# KiCad board kimotor-project.kicad_pcb
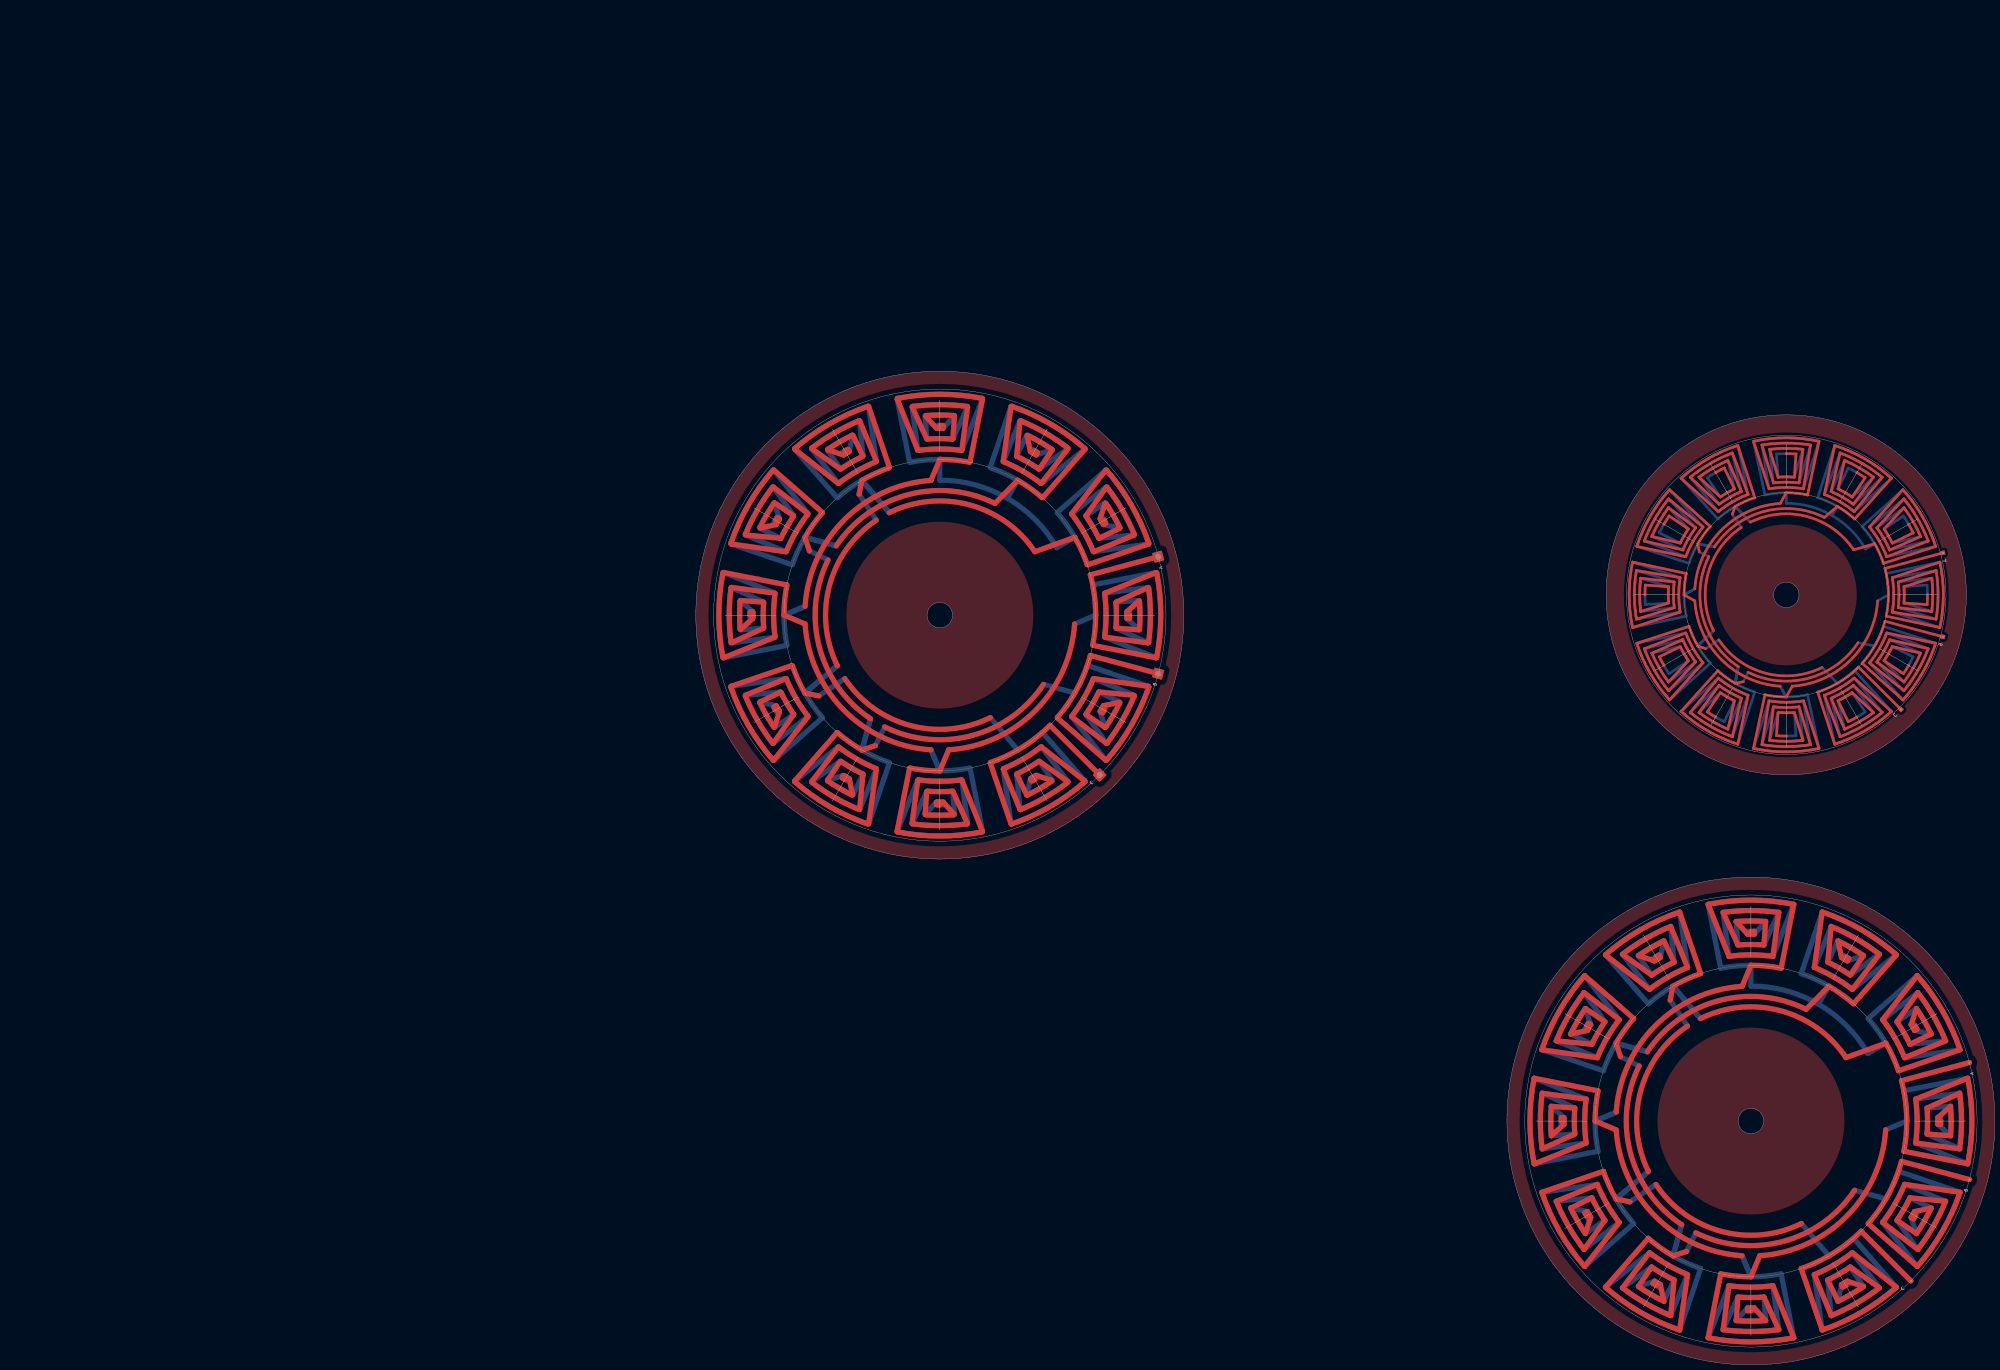
[diagram p0: board, top side]
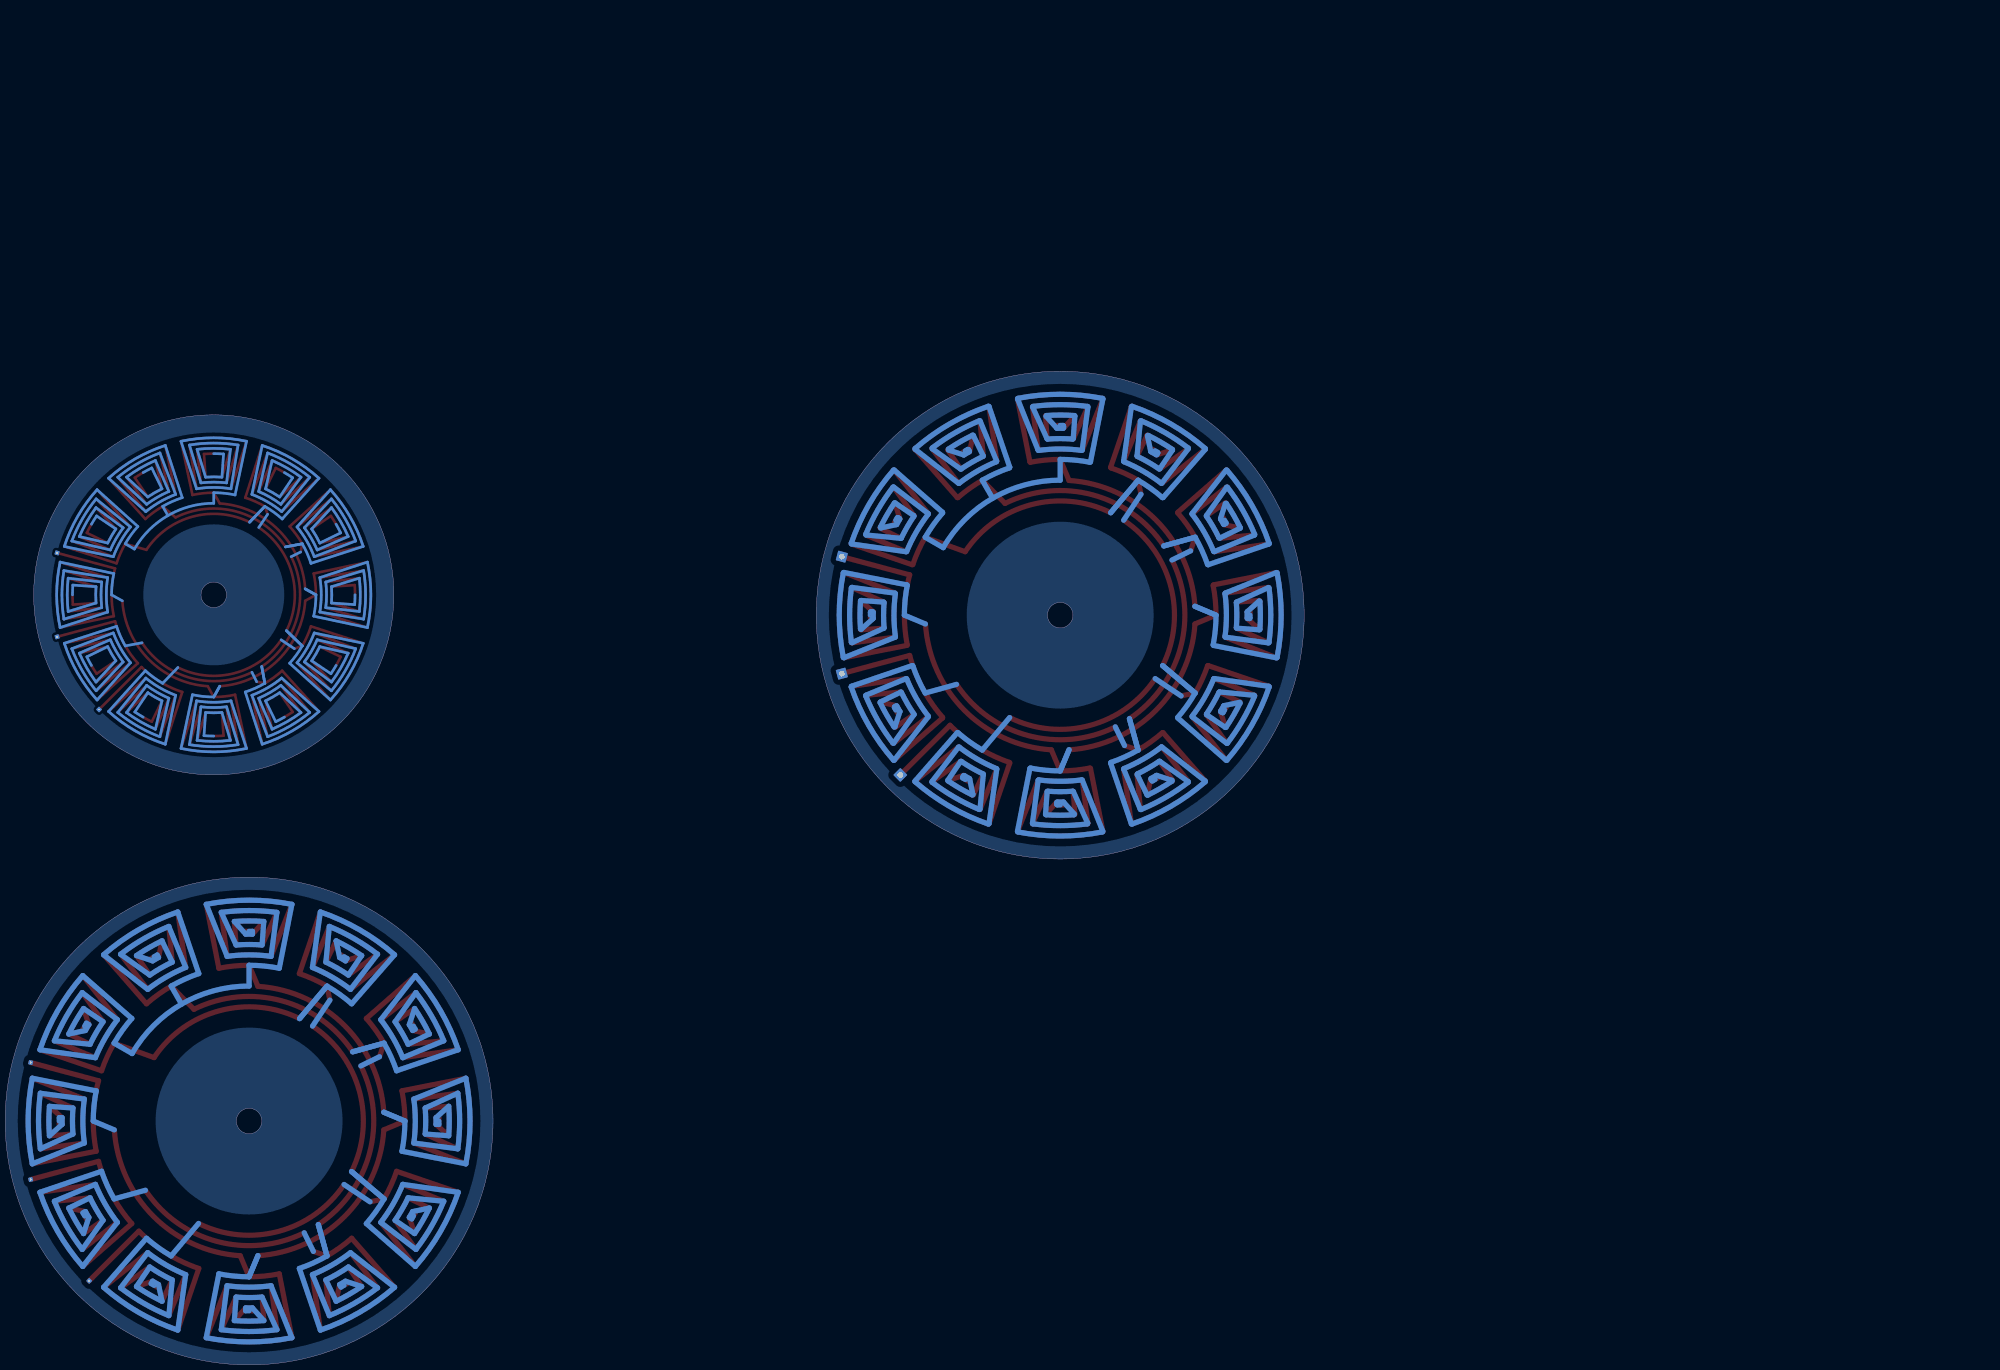
[diagram p1: board, bottom side, seen from below]

Outline 508.51 x 389.12 mm; copper layers: Top, In1.Cu, In2.Cu, In3.Cu, In4.Cu, Bottom. Coordinates in mm from the lower left corner of the outline.
Outline path: circle c95.5,293.62 r5 ; circle c95.5,293.62 r95.5 ; circle c413.01,95.5 r5 ; circle c413.01,95.5 r95.5 ; circle c426.84,301.57 r5 ; circle c426.84,301.57 r70.5
Stack: Top 0.035mm / dielectric 0.0994mm FR4 er 4.5 / In1.Cu 0.0175mm / dielectric 0.7mm FR4 er 4.5 / In2.Cu 0.0175mm / dielectric 0.2mm FR4 er 4.5 / In3.Cu 0.0175mm / dielectric 0.7mm FR4 er 4.5 / In4.Cu 0.0175mm / dielectric 0.0994mm FR4 er 4.5 / Bottom 0.035mm

## Placement (name value [footprint] x y rotation side)
T1  -  [SolderWire-0.15sqmm_1x01_D0.5mm_OD1.5mm]  498.5 118.41 15 top
T1#2  -  [SolderWire-0.15sqmm_1x01_D0.5mm_OD1.5mm]  488.17 318 15 top
T1#3  -  [SolderWire-1.5sqmm_1x01_D1.7mm_OD3.9mm]  180.98 316.52 15 top
T2  -  [SolderWire-0.15sqmm_1x01_D0.5mm_OD1.5mm]  498.5 72.59 345 top
T2#2  -  [SolderWire-0.15sqmm_1x01_D0.5mm_OD1.5mm]  488.17 285.13 345 top
T2#3  -  [SolderWire-1.5sqmm_1x01_D1.7mm_OD3.9mm]  180.98 270.71 345 top
T3  -  [SolderWire-0.15sqmm_1x01_D0.5mm_OD1.5mm]  471.74 256.67 315 top
T3#2  -  [SolderWire-0.15sqmm_1x01_D0.5mm_OD1.5mm]  475.59 32.92 315 top
T3#3  -  [SolderWire-1.5sqmm_1x01_D1.7mm_OD3.9mm]  158.08 231.04 315 top

## Footprints (pads in the part's own frame, mm; a bottom-side part is the same pattern mirrored in y, then rotated)
SolderWire-0.15sqmm_1x01_D0.5mm_OD1.5mm
  rrect 1.7x1.7 hole 0.7: 1(0,0)
SolderWire-1.5sqmm_1x01_D1.7mm_OD3.9mm
  rrect 3.9x3.9 hole 2.1: 1(0,0)

## Nets
coil: T1.1 T1#2.1 T1#3.1 T2.1 T2#2.1 T2#3.1 T3.1 T3#2.1 T3#3.1

## Via types
v1: diameter 0.25, hole 0.15, Top to In1.Cu, 36 vias
v2: diameter 0.25, hole 0.15, Top to Bottom, 51 vias
v3: diameter 0.25, hole 0.15, In1.Cu to In2.Cu, 36 vias
v4: diameter 0.25, hole 0.15, In2.Cu to In3.Cu, 36 vias
v5: diameter 0.25, hole 0.15, In3.Cu to In4.Cu, 36 vias
v6: diameter 0.25, hole 0.15, In4.Cu to In5.Cu, 36 vias
v7: diameter 0.25, hole 0.15, In5.Cu to In6.Cu, 36 vias
v8: diameter 0.25, hole 0.15, In6.Cu to In7.Cu, 36 vias
v9: diameter 0.25, hole 0.15, In7.Cu to In8.Cu, 36 vias
v10: diameter 0.25, hole 0.15, In8.Cu to In9.Cu, 36 vias
v11: diameter 0.25, hole 0.15, In9.Cu to In10.Cu, 36 vias
v12: diameter 0.25, hole 0.15, In10.Cu to In11.Cu, 36 vias
v13: diameter 0.25, hole 0.15, In11.Cu to In12.Cu, 36 vias
v14: diameter 0.25, hole 0.15, In12.Cu to In13.Cu, 36 vias
v15: diameter 0.25, hole 0.15, In13.Cu to In14.Cu, 36 vias
v16: diameter 0.25, hole 0.15, In14.Cu to In15.Cu, 36 vias
v17: diameter 0.25, hole 0.15, In15.Cu to In16.Cu, 36 vias
v18: diameter 0.25, hole 0.15, In16.Cu to Bottom, 36 vias

## Routing (per net, layer and track width the routed paths; a pad name or vN(x,y) marks a point on that pad's centre or on a via; arc(x,y) is an arc through that point)
coil: length 399427.3
  Top w1.034: T2#2.1 465.47,291.22 arc(463.79,286.26) v17(461.48,281.57) arc(458.57,277.22) 456.54,274.78 472.51,260.39 arc(480.1,270.82) 485.34,282.6 466.17,286.64 arc(463.27,280.53) 459.43,274.97 472.88,263.99 arc(478.31,271.85) 482.4,280.48 467.32,283.99 arc(465.06,279.5) 462.3,275.29 472.93,267.42 arc(476.51,272.89) 479.46,278.72 468.35,281.29 arc(466.85,278.47) 465.15,275.75 472.7,270.67 arc(470.7,267.91) v18(474.72,273.92) ; v2(395.3,280.49) v17(392.19,281.57) arc(389.88,286.26) 388.79,289.23 368.33,282.6 arc(373.57,270.82) 381.16,260.39 394.24,274.97 arc(390.4,280.53) 387.5,286.64 371.27,280.48 arc(375.37,271.85) 380.79,263.99 391.37,275.29 arc(388.61,279.5) 386.35,283.99 374.22,278.72 arc(377.16,272.89) 380.74,267.42 388.52,275.75 arc(386.82,278.47) 385.32,281.29 377.15,277.3 arc(375.75,280.41) v18(378.95,273.92) ; T3.1 455.12,273.28 arc(451.19,269.83) v17(446.84,266.93) arc(442.14,264.61) 439.17,263.52 445.8,243.07 arc(457.59,248.31) 468.02,255.89 453.43,268.98 arc(447.87,265.14) 441.76,262.24 447.92,246 arc(456.55,250.1) 464.41,255.52 453.11,266.1 arc(448.9,263.35) 444.41,261.08 449.68,248.95 arc(455.52,251.89) 460.98,255.48 452.65,263.25 arc(449.94,261.55) 447.11,260.05 451.1,251.88 arc(448,250.48) v18(454.48,253.68) ; v2(410.06,267.55) v17(406.84,266.93) arc(402.49,269.83) 400.05,271.86 385.65,255.89 arc(396.09,248.31) 407.87,243.07 411.91,262.24 arc(405.8,265.14) 400.24,268.98 389.26,255.52 arc(397.12,250.1) 405.75,246 409.26,261.08 arc(404.77,263.35) 400.56,266.1 392.69,255.48 arc(398.15,251.89) 403.99,248.95 406.56,260.05 arc(403.73,261.55) 401.02,263.25 395.94,255.71 arc(393.17,257.7) v18(399.19,253.68) ; v2(392.82,318.34) v17(392.19,321.57) arc(395.1,325.92) 397.13,328.35 381.16,342.75 arc(373.57,332.32) 368.33,320.54 387.5,316.49 arc(390.4,322.6) 394.24,328.17 380.79,339.15 arc(375.37,331.28) 371.27,322.65 386.35,319.14 arc(388.61,323.64) 391.37,327.84 380.74,335.72 arc(377.16,330.25) 374.22,324.41 385.32,321.85 arc(386.82,324.67) 388.52,327.38 380.98,332.46 arc(382.97,335.23) v18(378.95,329.22) ; T1#2.1 465.47,311.92 arc(466.49,306.79) v17(466.84,301.57) arc(466.49,296.35) 465.96,293.23 486.98,288.74 arc(488.34,301.57) 486.98,314.39 468.36,308.31 arc(468.9,301.57) 468.36,294.83 485.5,292.05 arc(486.27,301.57) 485.5,311.09 470.68,306.59 arc(470.97,301.57) 470.68,296.55 483.83,295.04 arc(484.2,301.57) 483.83,308.09 472.93,304.77 arc(473.04,301.57) 472.93,298.37 482,297.74 arc(481.66,294.35) v18(482.13,301.57) ; v2(405.76,333.11) v17(406.84,336.21) arc(411.53,338.52) 414.5,339.62 407.87,360.07 arc(396.09,354.83) 385.65,347.25 400.24,334.16 arc(405.8,338) 411.91,340.9 405.75,357.13 arc(397.12,353.04) 389.26,347.61 400.56,337.03 arc(404.77,339.79) 409.26,342.05 403.99,354.19 arc(398.15,351.25) 392.69,347.66 401.02,339.89 arc(403.73,341.58) 406.56,343.08 402.57,351.25 arc(405.67,352.65) v18(399.19,349.46) ; v18(371.54,301.57) arc(372.01,308.79) 371.67,305.39 380.74,304.77 arc(380.63,301.57) 380.74,298.37 369.84,295.04 arc(369.47,301.57) 369.84,308.09 382.99,306.59 arc(382.7,301.57) 382.99,296.55 368.17,292.05 arc(367.4,301.57) 368.17,311.09 385.31,308.31 arc(384.77,301.57) 385.31,294.83 366.69,288.74 arc(365.34,301.57) 366.69,314.39 387.71,309.91 arc(387.18,306.79) v17(386.84,301.57) 391.05,299.22 arc(401.48,276.21) v2(424.49,265.78) ; v2(462.62,299.22) arc(452.2,276.21) 429.18,265.78 v17(426.84,261.57) arc(421.61,261.91) 418.49,262.45 414.01,241.42 arc(426.84,240.07) 439.66,241.42 433.58,260.04 arc(426.84,259.5) 420.1,260.04 417.31,242.9 arc(426.84,242.14) 436.36,242.9 431.86,257.72 arc(426.84,257.43) 421.81,257.72 420.31,244.58 arc(426.84,244.2) 433.36,244.58 430.03,255.47 arc(426.84,255.36) 423.64,255.47 423.01,246.4 arc(419.62,246.74) v18(426.84,246.27) ; v2(440.87,273.11) arc(418.62,270.92) v2(400.45,283.94) ; v18(426.84,356.86) arc(434.05,356.39) 430.66,356.73 430.03,347.66 arc(426.84,347.77) 423.64,347.66 420.31,358.56 arc(426.84,358.93) 433.36,358.56 431.86,345.42 arc(426.84,345.7) 421.81,345.42 417.31,360.23 arc(426.84,361) 436.36,360.23 433.58,343.09 arc(426.84,343.64) 420.1,343.09 414.01,361.72 arc(426.84,363.07) 439.66,361.72 435.18,340.69 arc(432.06,341.23) v17(426.84,341.57) 424.49,337.36 arc(401.48,326.93) v2(391.05,303.91) ; v2(454.94,282.79) arc(435.58,268.92) v2(411.89,271.26) ; v18(454.48,349.46) arc(460.5,345.44) 457.73,347.43 452.65,339.89 arc(449.94,341.58) 447.11,343.08 449.68,354.19 arc(455.52,351.25) 460.98,347.66 453.11,337.03 arc(448.9,339.79) 444.41,342.05 447.92,357.13 arc(456.55,353.04) 464.41,347.61 453.43,334.16 arc(447.87,338) 441.76,340.9 445.8,360.07 arc(457.59,354.83) 468.02,347.25 453.62,331.28 arc(451.19,333.3) v17(446.84,336.21) 441.78,331.88 arc(418.09,334.21) v2(398.74,320.34) ; v2(398.38,287.53) arc(396.19,309.78) v2(409.21,327.95) ; v2(408.06,273.47) arc(394.19,292.82) v2(396.52,316.52) ; v18(474.72,329.22) arc(477.92,322.73) 476.52,325.84 468.35,321.85 arc(466.85,324.67) 465.15,327.38 472.93,335.72 arc(476.51,330.25) 479.46,324.41 467.32,319.14 arc(465.06,323.64) 462.3,327.84 472.88,339.15 arc(478.31,331.28) 482.4,322.65 466.17,316.49 arc(463.27,322.6) 459.43,328.17 472.51,342.75 arc(480.1,332.32) 485.34,320.54 464.89,313.9 arc(463.79,316.88) v17(461.48,321.57) 453.22,319.2 arc(435.05,332.21) v2(412.8,330.02)
  Top w2.034: v2(387.83,44.44) v17(382.51,42.67) arc(375.88,47.11) 372.85,49.59 356.06,30.39 arc(369.76,20.59) 385.1,13.63 388.21,35.35 arc(380.48,39.15) 373.32,43.94 362.73,30.18 arc(371.8,24.11) 381.59,19.29 382.94,33.25 arc(378.44,35.63) 374.13,38.33 368.94,30.7 arc(373.83,27.63) 378.93,24.94 377.56,31.45 arc(376.41,32.1) 375.27,32.77 374.71,31.84 arc(367.78,36.56) v18(375.86,31.16) ; T2#3.1 154.42,277.83 arc(151.86,270.27) v17(148.33,263.12) arc(143.89,256.48) 141.54,253.61 arc(141.5,253.46) 141.56,253.32 160.46,236.8 arc(160.6,236.75) 160.74,236.82 arc(170.41,250.37) 177.3,265.48 arc(177.28,265.65) 177.13,265.74 155.81,268.79 arc(155.68,268.77) 155.6,268.67 arc(151.85,261.08) 147.18,254.08 arc(147.14,253.93) 147.22,253.8 160.66,243.45 arc(160.81,243.41) 160.94,243.49 arc(166.89,252.4) 171.6,261.94 arc(171.59,262.12) 171.44,262.22 157.89,263.53 arc(157.78,263.51) 157.69,263.42 arc(155.37,259.05) 152.78,254.9 arc(152.75,254.75) 152.83,254.63 160.13,249.66 arc(160.28,249.63) 160.41,249.71 arc(163.37,254.43) 165.88,259.16 arc(165.86,259.38) 165.66,259.45 159.64,258.18 arc(159.56,258.15) 159.5,258.08 arc(158.9,257.01) 158.33,256.05 arc(158.31,255.9) 158.4,255.77 158.99,255.42 arc(159.14,255.4) 159.27,255.49 arc(154.44,248.39) v18(159.84,256.47) ; v2(70.32,242.56) v17(65,240.79) arc(58.37,245.22) 55.49,247.57 arc(55.34,247.62) 55.21,247.55 38.68,228.66 arc(38.63,228.51) 38.7,228.38 arc(52.25,218.71) 67.36,211.82 arc(67.53,211.84) 67.62,211.98 70.67,233.31 arc(70.65,233.43) 70.55,233.52 arc(62.97,237.27) 55.96,241.94 arc(55.82,241.98) 55.68,241.9 45.34,228.46 arc(45.3,228.31) 45.37,228.18 arc(54.28,222.23) 63.83,217.51 arc(64.01,217.53) 64.1,217.68 65.42,231.22 arc(65.39,231.34) 65.3,231.42 arc(60.93,233.74) 56.79,236.34 arc(56.64,236.37) 56.51,236.28 51.54,228.98 arc(51.51,228.83) 51.6,228.7 arc(56.32,225.75) 61.05,223.23 arc(61.26,223.25) 61.33,223.45 60.07,229.48 arc(60.03,229.56) 59.97,229.61 arc(58.9,230.22) 57.93,230.79 arc(57.78,230.81) 57.66,230.72 57.3,230.13 arc(57.28,229.97) 57.37,229.85 arc(50.27,234.67) v18(58.35,229.27) ; v2(365.68,63.87) v17(360.18,65) arc(356.66,72.16) 355.27,75.82 331.14,67.59 arc(338.1,52.25) 347.9,38.55 361.45,55.81 arc(356.66,62.97) 352.86,70.7 336.8,64.08 arc(341.62,54.28) 347.7,45.21 355.84,56.62 arc(353.14,60.93) 350.76,65.43 342.45,61.42 arc(345.15,56.32) 348.21,51.43 350.29,57.76 arc(349.62,58.9) 348.97,60.05 348.01,59.52 arc(344.37,67.07) v18(348.67,58.35) ; v2(381.38,142.84) v17(382.51,148.33) arc(389.67,151.86) 393.33,153.24 385.1,177.37 arc(369.76,170.41) 356.06,160.61 373.32,147.06 arc(380.48,151.85) 388.21,155.65 381.59,171.71 arc(371.8,166.89) 362.73,160.82 374.13,152.67 arc(378.44,155.37) 382.94,157.75 378.93,166.06 arc(373.83,163.37) 368.94,160.3 375.27,158.23 arc(376.41,158.9) 377.56,159.55 377.03,160.5 arc(384.58,164.14) v18(375.86,159.84) ; T1.1 471.93,111.29 arc(473.49,103.46) v17(474.01,95.5) arc(473.49,87.54) 472.86,83.68 497.87,78.73 arc(499.51,95.5) 497.87,112.27 477.51,104.1 arc(478.08,95.5) 477.51,86.9 494.72,84.61 arc(495.44,95.5) 494.72,106.39 481.96,100.59 arc(482.15,95.5) 481.96,90.41 491.16,89.74 arc(491.38,95.5) 491.16,101.26 486.2,96.82 arc(486.22,95.5) 486.2,94.18 487.3,94.16 arc(486.67,85.8) v18(487.31,95.5) ; T3#2.1 456.15,52.37 arc(450.15,47.11) v17(443.51,42.67) arc(436.36,39.14) 432.69,37.76 440.92,13.63 arc(456.26,20.59) 469.96,30.39 452.71,43.94 arc(445.55,39.15) 437.82,35.35 444.44,19.29 arc(454.23,24.11) 463.3,30.18 451.89,38.33 arc(447.58,35.63) 443.08,33.25 447.1,24.94 arc(452.19,27.63) 457.08,30.7 450.75,32.77 arc(449.61,32.1) 448.47,31.45 448.99,30.5 arc(441.44,26.86) v18(450.16,31.16) ; T3#3.1 138.63,250.48 arc(132.63,245.22) v17(126,240.79) arc(118.84,237.26) 115.37,235.94 arc(115.26,235.84) 115.25,235.69 123.35,211.93 arc(123.45,211.82) 123.6,211.81 arc(138.75,218.71) 152.27,228.35 arc(152.34,228.51) 152.26,228.66 135.32,241.96 arc(135.19,242) 135.07,241.96 arc(128.03,237.27) 120.49,233.54 arc(120.38,233.43) 120.38,233.28 126.85,217.59 arc(126.96,217.49) 127.11,217.49 arc(136.72,222.23) 145.57,228.13 arc(145.65,228.3) 145.57,228.46 134.49,236.37 arc(134.38,236.4) 134.26,236.37 arc(130.07,233.74) 125.75,231.45 arc(125.65,231.33) 125.66,231.18 129.5,223.23 arc(129.61,223.13) 129.76,223.14 arc(134.68,225.75) 139.23,228.59 arc(139.32,228.78) 139.18,228.94 133.33,230.86 arc(133.24,230.87) 133.16,230.84 arc(132.1,230.22) 131.13,229.67 arc(131.03,229.55) 131.05,229.4 131.39,228.79 arc(131.51,228.69) 131.66,228.71 arc(123.93,224.98) v18(132.65,229.27) ; v2(44.44,318.8) v17(42.67,324.12) arc(47.11,330.75) 49.46,333.63 arc(49.5,333.77) 49.44,333.91 30.54,350.43 arc(30.4,350.48) 30.26,350.41 arc(20.59,336.87) 13.7,321.76 arc(13.72,321.59) 13.87,321.49 35.19,318.44 arc(35.32,318.47) 35.4,318.56 arc(39.15,326.15) 43.82,333.15 arc(43.86,333.3) 43.78,333.43 30.34,343.78 arc(30.19,343.82) 30.06,343.74 arc(24.11,334.83) 19.4,325.29 arc(19.41,325.11) 19.56,325.01 33.11,323.7 arc(33.22,323.72) 33.31,323.81 arc(35.63,328.18) 38.22,332.33 arc(38.25,332.48) 38.17,332.61 30.87,337.57 arc(30.72,337.6) 30.59,337.52 arc(27.63,332.8) 25.12,328.07 arc(25.14,327.86) 25.34,327.78 31.36,329.05 arc(31.44,329.09) 31.5,329.15 arc(32.1,330.22) 32.67,331.18 arc(32.69,331.34) 32.6,331.46 32.01,331.81 arc(31.86,331.84) 31.73,331.75 arc(36.56,338.84) v18(31.16,330.76) ; v2(63.87,340.95) v17(65,346.44) arc(72.16,349.97) 75.63,351.29 arc(75.74,351.39) 75.75,351.54 67.65,375.3 arc(67.55,375.42) 67.4,375.42 arc(52.25,368.53) 38.73,358.88 arc(38.66,358.73) 38.74,358.57 55.68,345.27 arc(55.81,345.23) 55.93,345.27 arc(62.97,349.97) 70.51,353.69 arc(70.62,353.8) 70.62,353.96 64.15,369.64 arc(64.04,369.75) 63.89,369.75 arc(54.28,365) 45.43,359.1 arc(45.35,358.94) 45.43,358.78 56.51,350.87 arc(56.62,350.83) 56.74,350.86 arc(60.93,353.49) 65.25,355.78 arc(65.35,355.9) 65.34,356.05 61.5,364 arc(61.39,364.1) 61.24,364.09 arc(56.32,361.48) 51.77,358.64 arc(51.68,358.45) 51.82,358.29 57.67,356.37 arc(57.76,356.36) 57.84,356.39 arc(58.9,357.01) 59.87,357.57 arc(59.97,357.69) 59.95,357.84 59.61,358.44 arc(59.49,358.54) 59.34,358.52 arc(67.07,362.26) v18(58.35,357.96) ; T2.1 471.93,79.71 arc(469.37,72.16) v17(465.84,65) arc(461.41,58.37) 458.93,55.34 478.12,38.55 arc(487.92,52.25) 494.89,67.59 473.17,70.7 arc(469.36,62.97) 464.57,55.81 478.33,45.21 arc(484.4,54.28) 489.22,64.08 475.27,65.43 arc(472.89,60.93) 470.18,56.62 477.81,51.43 arc(480.88,56.32) 483.58,61.42 477.06,60.05 arc(476.41,58.9) 475.74,57.76 476.67,57.2 arc(471.96,50.27) v18(477.35,58.35) ; v2(48.16,261.99) v17(42.67,263.12) arc(39.14,270.27) 37.83,273.75 arc(37.73,273.86) 37.57,273.87 13.82,265.77 arc(13.7,265.67) 13.69,265.52 arc(20.59,250.37) 30.23,236.85 arc(30.39,236.78) 30.54,236.86 43.85,253.8 arc(43.89,253.92) 43.85,254.05 arc(39.15,261.08) 35.42,268.63 arc(35.31,268.74) 35.16,268.74 19.48,262.27 arc(19.37,262.16) 19.37,262.01 arc(24.11,252.4) 30.02,243.54 arc(30.18,243.47) 30.34,243.55 38.25,254.62 arc(38.29,254.74) 38.25,254.85 arc(35.63,259.05) 33.33,263.37 arc(33.22,263.47) 33.07,263.46 25.12,259.62 arc(25.01,259.51) 25.02,259.35 arc(27.63,254.43) 30.47,249.89 arc(30.67,249.8) 30.83,249.94 32.75,255.79 arc(32.75,255.88) 32.73,255.96 arc(32.1,257.01) 31.55,257.99 arc(31.43,258.08) 31.28,258.07 30.67,257.73 arc(30.58,257.61) 30.6,257.46 arc(26.86,265.18) v18(31.16,256.47) ; T1#3.1 154.42,309.4 arc(155.98,301.58) v17(156.5,293.62) arc(155.98,285.65) 155.38,281.99 arc(155.41,281.84) 155.54,281.75 180.16,276.89 arc(180.31,276.92) 180.4,277.05 arc(182,293.62) 180.41,310.14 arc(180.31,310.28) 180.14,310.29 160.14,302.27 arc(160.04,302.19) 160.02,302.06 arc(160.57,293.62) 160.02,285.22 arc(160.06,285.07) 160.2,284.99 177.01,282.75 arc(177.16,282.79) 177.24,282.92 arc(177.93,293.62) 177.24,304.24 arc(177.14,304.39) 176.96,304.39 164.58,298.76 arc(164.49,298.68) 164.46,298.56 arc(164.64,293.62) 164.46,288.73 arc(164.51,288.58) 164.65,288.52 173.45,287.87 arc(173.6,287.91) 173.67,288.05 arc(173.86,293.62) 173.68,298.97 arc(173.56,299.14) 173.35,299.11 168.76,295 arc(168.71,294.93) 168.69,294.84 arc(168.7,293.62) 168.7,292.5 arc(168.75,292.35) 168.89,292.29 169.58,292.28 arc(169.73,292.34) 169.79,292.48 arc(169.16,283.92) v18(169.8,293.62) ; v2(361.95,120.68) v17(360.18,126) arc(364.62,132.63) 367.1,135.66 347.9,152.45 arc(338.1,138.75) 331.14,123.41 352.86,120.3 arc(356.66,128.03) 361.45,135.19 347.7,145.79 arc(341.62,136.72) 336.8,126.92 350.76,125.57 arc(353.14,130.07) 355.84,134.38 348.21,139.57 arc(345.15,134.68) 342.45,129.58 348.97,130.95 arc(349.62,132.1) 350.29,133.24 349.35,133.8 arc(354.07,140.73) v18(348.67,132.65) ; v2(393.23,135.62) arc(424.59,138.7) 450.2,120.35 v17(465.84,126) arc(469.37,118.84) 470.75,115.18 494.89,123.41 arc(487.92,138.75) 478.12,152.45 464.57,135.19 arc(469.36,128.03) 473.17,120.3 489.22,126.92 arc(484.4,136.72) 478.33,145.79 470.18,134.38 arc(472.89,130.07) 475.27,125.57 483.58,129.58 arc(480.88,134.68) 477.81,139.57 475.74,133.24 arc(476.41,132.1) 477.06,130.95 478.01,131.48 arc(481.65,123.93) v18(477.35,132.65) ; v2(409.55,42.75) arc(375.63,58.12) 360.26,92.04 v17(352.01,95.5) arc(352.53,103.46) 353.17,107.32 328.15,112.27 arc(326.51,95.5) 328.15,78.73 348.51,86.9 arc(347.94,95.5) 348.51,104.1 331.3,106.39 arc(330.58,95.5) 331.3,84.61 344.06,90.41 arc(343.88,95.5) 344.06,100.59 334.86,101.26 arc(334.65,95.5) 334.86,89.74 339.82,94.18 arc(339.81,95.5) 339.82,96.82 338.73,96.84 arc(339.35,105.2) v18(338.72,95.5) ; v2(453.58,68.39) arc(425.64,48.37) v2(391.43,51.74) ; v2(68.39,253.04) arc(48.37,280.99) v2(51.74,315.2) ; v2(55.38,273.83) arc(52.3,305.19) v2(70.65,330.81) ; v2(54.93,320.73) arc(82.87,340.75) 117.08,337.38 v17(126,346.44) arc(132.63,342.01) 135.51,339.66 arc(135.66,339.61) 135.79,339.68 152.32,358.57 arc(152.37,358.72) 152.3,358.86 arc(138.75,368.53) 123.64,375.41 arc(123.47,375.39) 123.38,375.25 120.33,353.92 arc(120.35,353.8) 120.45,353.71 arc(128.03,349.97) 135.04,345.3 arc(135.18,345.26) 135.32,345.33 145.66,358.77 arc(145.7,358.92) 145.63,359.06 arc(136.72,365) 127.17,369.72 arc(126.99,369.71) 126.9,369.56 125.58,356.01 arc(125.61,355.89) 125.7,355.81 arc(130.07,353.49) 134.21,350.9 arc(134.36,350.87) 134.49,350.95 139.46,358.25 arc(139.49,358.4) 139.4,358.53 arc(134.68,361.48) 129.95,364 arc(129.74,363.98) 129.67,363.78 130.93,357.75 arc(130.97,357.67) 131.03,357.62 arc(132.1,357.01) 133.07,356.45 arc(133.22,356.42) 133.34,356.51 133.7,357.11 arc(133.72,357.26) 133.63,357.38 arc(140.73,352.56) v18(132.65,357.96) ; v2(465.76,92.04) arc(450.39,58.12) 416.47,42.75 v17(413.01,34.5) arc(405.05,35.02) 401.19,35.66 396.25,10.64 arc(413.01,9) 429.78,10.64 421.61,31 arc(413.01,30.43) 404.42,31 402.12,13.79 arc(413.01,13.07) 423.9,13.79 418.1,26.55 arc(413.01,26.36) 407.93,26.55 407.25,17.35 arc(413.01,17.14) 418.78,17.35 414.33,22.31 arc(413.01,22.3) 411.69,22.31 411.67,21.22 arc(403.31,21.84) v18(413.01,21.2) ; v18(450.16,159.84) arc(458.24,154.44) 451.31,159.16 450.75,158.23 arc(449.61,158.9) 448.47,159.55 447.1,166.06 arc(452.19,163.37) 457.08,160.3 451.89,152.67 arc(447.58,155.37) 443.08,157.75 444.44,171.71 arc(454.23,166.89) 463.3,160.82 452.71,147.06 arc(445.55,151.85) 437.82,155.65 440.92,177.37 arc(456.26,170.41) 469.96,160.61 453.17,141.41 arc(450.15,143.89) v17(443.51,148.33) 434.59,139.26 arc(400.38,142.63) v2(372.44,122.61) ; v2(136.07,266.51) arc(108.13,246.48) v2(73.92,249.85) ; v2(115.28,253.5) arc(83.92,250.41) v2(58.31,268.77) ; v18(159.84,330.76) arc(164.14,322.05) 160.4,329.77 arc(160.42,329.62) 160.33,329.5 159.72,329.17 arc(159.57,329.15) 159.45,329.24 arc(158.9,330.22) 158.27,331.28 arc(158.25,331.36) 158.25,331.44 160.17,337.3 arc(160.33,337.43) 160.53,337.35 arc(163.37,332.8) 165.98,327.88 arc(165.99,327.73) 165.88,327.61 157.93,323.77 arc(157.78,323.76) 157.67,323.87 arc(155.37,328.18) 152.75,332.38 arc(152.71,332.49) 152.75,332.61 160.66,343.68 arc(160.82,343.77) 160.98,343.69 arc(166.89,334.83) 171.63,325.22 arc(171.63,325.07) 171.52,324.96 155.84,318.5 arc(155.69,318.5) 155.58,318.6 arc(151.85,326.15) 147.15,333.19 arc(147.11,333.31) 147.15,333.43 160.46,350.38 arc(160.61,350.45) 160.77,350.38 arc(170.41,336.87) 177.31,321.72 arc(177.3,321.56) 177.18,321.46 153.43,313.36 arc(153.27,313.37) 153.17,313.49 arc(151.86,316.96) v17(148.33,324.12) 132.69,318.47 arc(107.08,336.82) v2(75.72,333.73) ; v2(92.04,240.87) arc(58.12,256.24) 42.75,290.16 v17(34.5,293.62) arc(35.02,301.58) 35.62,305.24 arc(35.59,305.39) 35.46,305.48 10.84,310.34 arc(10.69,310.31) 10.6,310.19 arc(9,293.62) 10.59,277.09 arc(10.69,276.95) 10.86,276.94 30.86,284.96 arc(30.96,285.05) 30.98,285.17 arc(30.43,293.62) 30.98,302.01 arc(30.94,302.16) 30.8,302.24 13.99,304.48 arc(13.84,304.44) 13.76,304.31 arc(13.07,293.62) 13.76,282.99 arc(13.86,282.84) 14.04,282.84 26.42,288.47 arc(26.51,288.55) 26.54,288.67 arc(26.36,293.62) 26.54,298.5 arc(26.49,298.65) 26.35,298.72 17.55,299.37 arc(17.4,299.32) 17.33,299.18 arc(17.14,293.62) 17.32,288.26 arc(17.44,288.09) 17.65,288.12 22.24,292.24 arc(22.29,292.3) 22.31,292.39 arc(22.3,293.62) 22.3,294.74 arc(22.25,294.88) 22.11,294.94 21.42,294.95 arc(21.27,294.9) 21.21,294.76 arc(21.84,303.31) v18(21.2,293.62) ; v2(432.8,55.38) arc(401.44,52.3) v2(375.82,70.65) ; v18(95.5,367.91) arc(105.2,367.28) 96.64,367.9 arc(96.78,367.84) 96.84,367.7 96.82,367.01 arc(96.76,366.87) 96.62,366.81 arc(95.5,366.82) 94.27,366.81 arc(94.19,366.83) 94.12,366.88 90.01,371.46 arc(89.97,371.67) 90.14,371.8 arc(95.5,371.98) 101.06,371.78 arc(101.2,371.71) 101.25,371.57 100.6,362.76 arc(100.53,362.63) 100.39,362.58 arc(95.5,362.75) 90.55,362.58 arc(90.44,362.6) 90.36,362.69 84.72,375.08 arc(84.73,375.26) 84.88,375.36 arc(95.5,376.05) 106.19,375.35 arc(106.32,375.28) 106.36,375.13 104.12,358.31 arc(104.05,358.18) 103.9,358.14 arc(95.5,358.68) 87.06,358.13 arc(86.93,358.16) 86.85,358.26 78.82,378.25 arc(78.83,378.42) 78.97,378.52 arc(95.5,380.12) 112.07,378.51 arc(112.2,378.43) 112.23,378.28 107.36,353.66 arc(107.28,353.53) 107.13,353.5 arc(103.46,354.09) v17(95.5,354.62) 92.04,346.37 arc(58.12,331) v2(42.75,297.07) ; v18(413.01,169.8) arc(422.71,169.16) 414.35,169.78 414.33,168.69 arc(413.01,168.7) 411.69,168.69 407.25,173.65 arc(413.01,173.86) 418.78,173.65 418.1,164.45 arc(413.01,164.64) 407.93,164.45 402.12,177.21 arc(413.01,177.93) 423.9,177.21 421.61,160 arc(413.01,160.57) 404.42,160 396.25,180.36 arc(413.01,182) 429.78,180.36 424.84,155.34 arc(420.97,155.98) v17(413.01,156.5) 409.55,148.25 arc(375.63,132.88) v2(360.26,98.96) ; v2(148.25,290.16) arc(132.88,256.24) 98.96,240.87 v17(95.5,232.62) arc(87.54,233.14) 83.87,233.73 arc(83.72,233.7) 83.64,233.58 78.77,208.95 arc(78.8,208.8) 78.93,208.72 arc(95.5,207.12) 112.03,208.71 arc(112.17,208.81) 112.18,208.98 104.15,228.97 arc(104.07,229.07) 103.94,229.1 arc(95.5,228.55) 87.1,229.09 arc(86.95,229.05) 86.88,228.92 84.64,212.11 arc(84.68,211.96) 84.81,211.88 arc(95.5,211.18) 106.12,211.87 arc(106.27,211.97) 106.28,212.15 100.64,224.54 arc(100.56,224.63) 100.45,224.66 arc(95.5,224.48) 90.61,224.65 arc(90.47,224.6) 90.4,224.47 89.75,215.66 arc(89.8,215.52) 89.94,215.45 arc(95.5,215.25) 100.86,215.44 arc(101.03,215.56) 100.99,215.77 96.88,220.36 arc(96.81,220.41) 96.73,220.42 arc(95.5,220.41) 94.38,220.42 arc(94.24,220.36) 94.18,220.22 94.16,219.53 arc(94.22,219.39) 94.36,219.33 arc(85.8,219.96) v18(95.5,219.32) ; v2(385.9,54.93) arc(365.88,82.87) v2(369.25,117.08) ; v2(372.9,75.72) arc(369.81,107.08) v2(388.16,132.69)
  In1.Cu w1.034: v18(399.19,349.46) arc(405.67,352.65) 395.94,347.43 401.02,339.89 arc(403.73,341.58) 406.56,343.08 403.99,354.19 arc(398.15,351.25) 392.69,347.66 400.56,337.03 arc(404.77,339.79) 409.26,342.05 405.75,357.13 arc(397.12,353.04) 389.26,347.61 400.24,334.16 arc(405.8,338) 411.91,340.9 407.87,360.07 arc(396.09,354.83) 385.65,347.25 400.05,331.28 arc(411.53,338.52) v17(406.84,336.21) ; v17(392.19,281.57) arc(389.88,286.26) 397.13,274.78 381.16,260.39 arc(373.57,270.82) 368.33,282.6 387.5,286.64 arc(390.4,280.53) 394.24,274.97 380.79,263.99 arc(375.37,271.85) 371.27,280.48 386.35,283.99 arc(388.61,279.5) 391.37,275.29 380.74,267.42 arc(377.16,272.89) 374.22,278.72 385.32,281.29 arc(386.82,278.47) 388.52,275.75 380.98,270.67 arc(375.75,280.41) v18(378.95,273.92) ; v17(446.84,266.93) arc(442.14,264.61) 453.62,271.86 468.02,255.89 arc(457.59,248.31) 445.8,243.07 441.76,262.24 arc(447.87,265.14) 453.43,268.98 464.41,255.52 arc(456.55,250.1) 447.92,246 444.41,261.08 arc(448.9,263.35) 453.11,266.1 460.98,255.48 arc(455.52,251.89) 449.68,248.95 447.11,260.05 arc(449.94,261.55) 452.65,263.25 457.73,255.71 arc(448,250.48) v18(454.48,253.68) ; v17(466.84,301.57) arc(466.49,296.35) 465.96,309.91 486.98,314.39 arc(488.34,301.57) 486.98,288.74 468.36,294.83 arc(468.9,301.57) 468.36,308.31 485.5,311.09 arc(486.27,301.57) 485.5,292.05 470.68,296.55 arc(470.97,301.57) 470.68,306.59 483.83,308.09 arc(484.2,301.57) 483.83,295.04 472.93,298.37 arc(473.04,301.57) 472.93,304.77 482,305.39 arc(481.66,294.35) v18(482.13,301.57) ; v18(474.72,273.92) arc(470.7,267.91) 476.52,277.3 468.35,281.29 arc(466.85,278.47) 465.15,275.75 472.93,267.42 arc(476.51,272.89) 479.46,278.72 467.32,283.99 arc(465.06,279.5) 462.3,275.29 472.88,263.99 arc(478.31,271.85) 482.4,280.48 466.17,286.64 arc(463.27,280.53) 459.43,274.97 472.51,260.39 arc(480.1,270.82) 485.34,282.6 464.89,289.23 arc(458.57,277.22) v17(461.48,281.57) ; v18(474.72,329.22) arc(477.92,322.73) 472.7,332.46 465.15,327.38 arc(466.85,324.67) 468.35,321.85 479.46,324.41 arc(476.51,330.25) 472.93,335.72 462.3,327.84 arc(465.06,323.64) 467.32,319.14 482.4,322.65 arc(478.31,331.28) 472.88,339.15 459.43,328.17 arc(463.27,322.6) 466.17,316.49 485.34,320.54 arc(480.1,332.32) 472.51,342.75 456.54,328.35 arc(463.79,316.88) v17(461.48,321.57) ; v17(426.84,261.57) arc(421.61,261.91) 435.18,262.45 439.66,241.42 arc(426.84,240.07) 414.01,241.42 420.1,260.04 arc(426.84,259.5) 433.58,260.04 436.36,242.9 arc(426.84,242.14) 417.31,242.9 421.81,257.72 arc(426.84,257.43) 431.86,257.72 433.36,244.58 arc(426.84,244.2) 420.31,244.58 423.64,255.47 arc(426.84,255.36) 430.03,255.47 430.66,246.4 arc(419.62,246.74) v18(426.84,246.27) ; v17(392.19,321.57) arc(395.1,325.92) 388.79,313.9 368.33,320.54 arc(373.57,332.32) 381.16,342.75 394.24,328.17 arc(390.4,322.6) 387.5,316.49 371.27,322.65 arc(375.37,331.28) 380.79,339.15 391.37,327.84 arc(388.61,323.64) 386.35,319.14 374.22,324.41 arc(377.16,330.25) 380.74,335.72 388.52,327.38 arc(386.82,324.67) 385.32,321.85 377.15,325.84 arc(382.97,335.23) v18(378.95,329.22) ; v17(406.84,266.93) arc(402.49,269.83) 414.5,263.52 407.87,243.07 arc(396.09,248.31) 385.65,255.89 400.24,268.98 arc(405.8,265.14) 411.91,262.24 405.75,246 arc(397.12,250.1) 389.26,255.52 400.56,266.1 arc(404.77,263.35) 409.26,261.08 403.99,248.95 arc(398.15,251.89) 392.69,255.48 401.02,263.25 arc(403.73,261.55) 406.56,260.05 402.57,251.88 arc(393.17,257.7) v18(399.19,253.68) ; v18(454.48,349.46) arc(460.5,345.44) 451.1,351.25 447.11,343.08 arc(449.94,341.58) 452.65,339.89 460.98,347.66 arc(455.52,351.25) 449.68,354.19 444.41,342.05 arc(448.9,339.79) 453.11,337.03 464.41,347.61 arc(456.55,353.04) 447.92,357.13 441.76,340.9 arc(447.87,338) 453.43,334.16 468.02,347.25 arc(457.59,354.83) 445.8,360.07 439.17,339.62 arc(451.19,333.3) v17(446.84,336.21) ; v18(371.54,301.57) arc(372.01,308.79) 371.67,297.74 380.74,298.37 arc(380.63,301.57) 380.74,304.77 369.84,308.09 arc(369.47,301.57) 369.84,295.04 382.99,296.55 arc(382.7,301.57) 382.99,306.59 368.17,311.09 arc(367.4,301.57) 368.17,292.05 385.31,294.83 arc(384.77,301.57) 385.31,308.31 366.69,314.39 arc(365.34,301.57) 366.69,288.74 387.71,293.23 arc(387.18,306.79) v17(386.84,301.57) ; v18(426.84,356.86) arc(434.05,356.39) 423.01,356.73 423.64,347.66 arc(426.84,347.77) 430.03,347.66 433.36,358.56 arc(426.84,358.93) 420.31,358.56 421.81,345.42 arc(426.84,345.7) 431.86,345.42 436.36,360.23 arc(426.84,361) 417.31,360.23 420.1,343.09 arc(426.84,343.64) 433.58,343.09 439.66,361.72 arc(426.84,363.07) 414.01,361.72 418.49,340.69 arc(432.06,341.23) v17(426.84,341.57)